# Altium PCB PiMX8MP_BRIDGE_FPC_r0.1.PcbDoc (part 1 of 2)
Units mm, origin at the board's own origin, x right, y up, seen from the top; angles counter-clockwise.
Board outline 53.68 x 17.99 mm, 4 copper layers (Top Layer, L2 GND, L3 GND, Bottom Layer), stack 0.148 mm thick; 2 components, 38 nets, 188 pads, 155 vias.
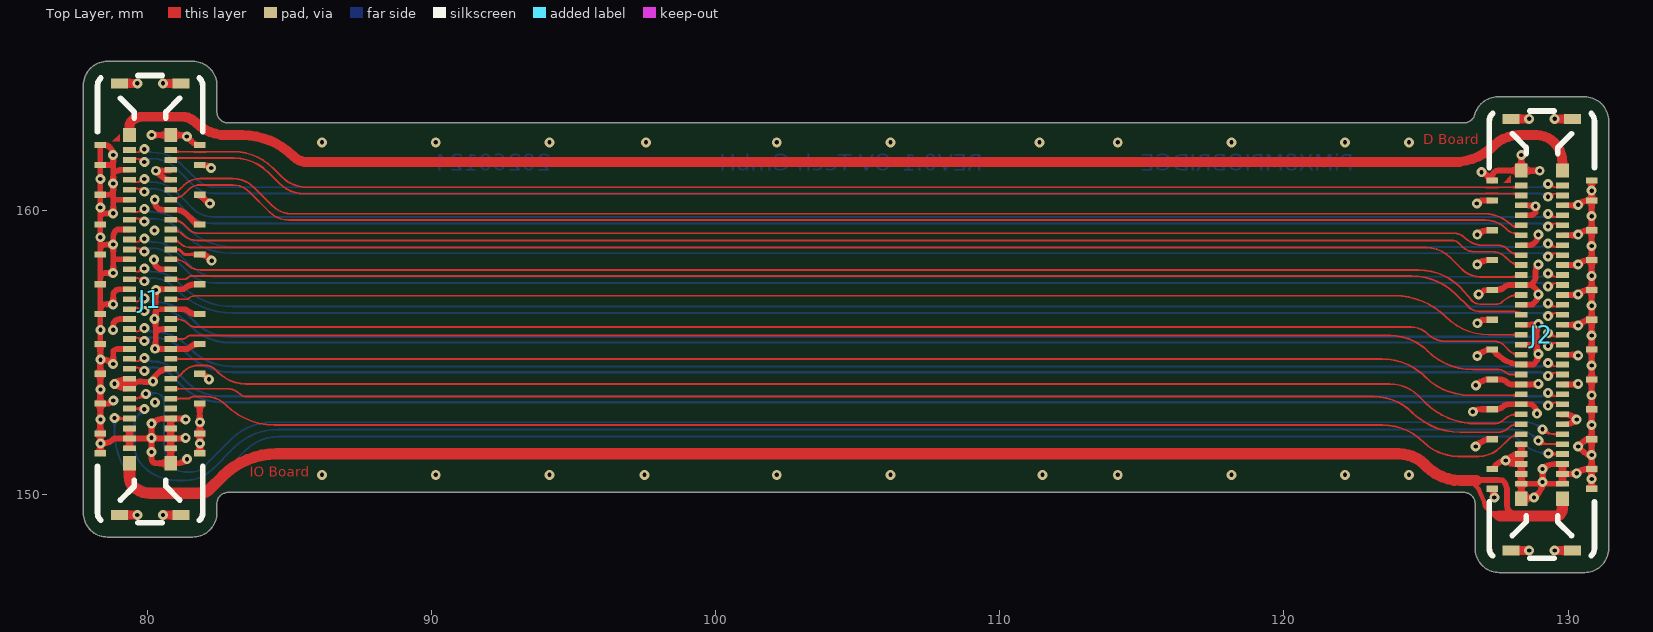
[diagram p0: Top Layer view]
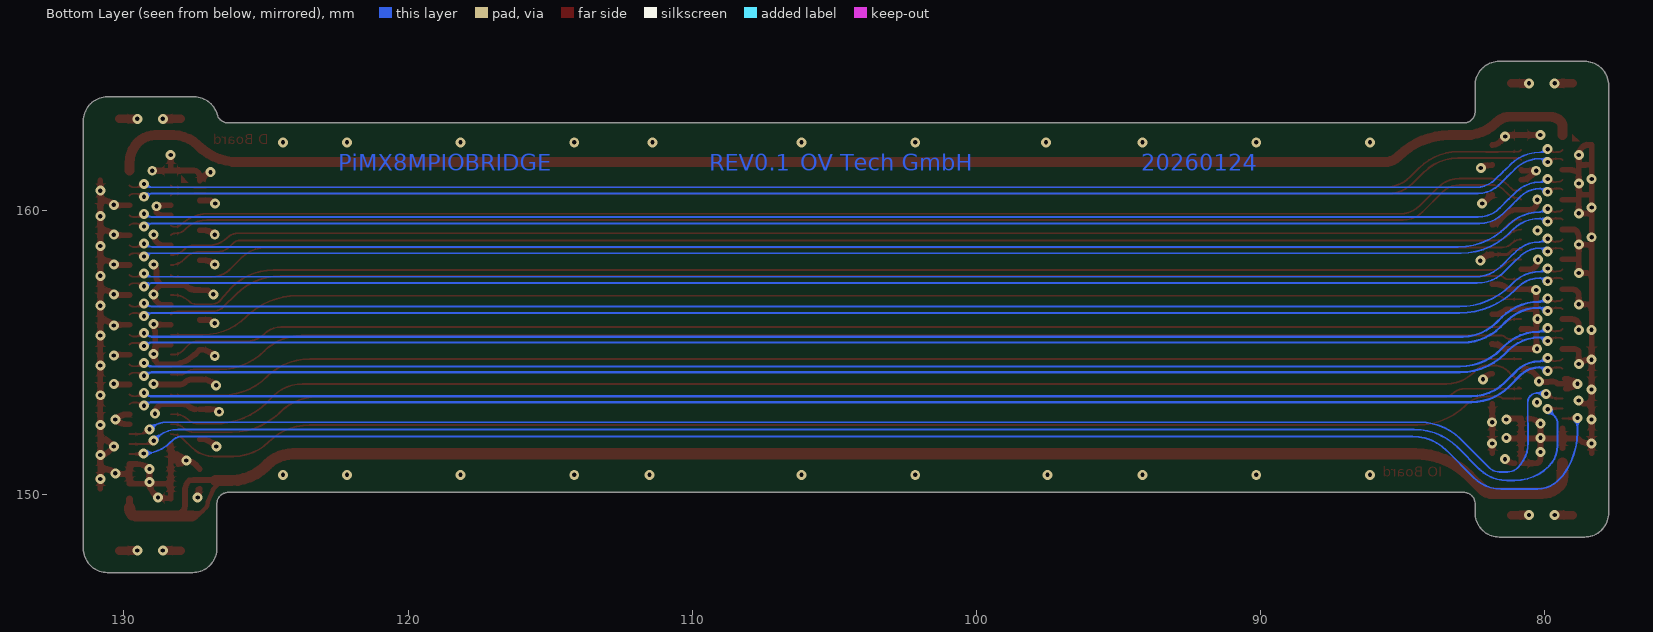
[diagram p1: Bottom Layer view, seen from below]
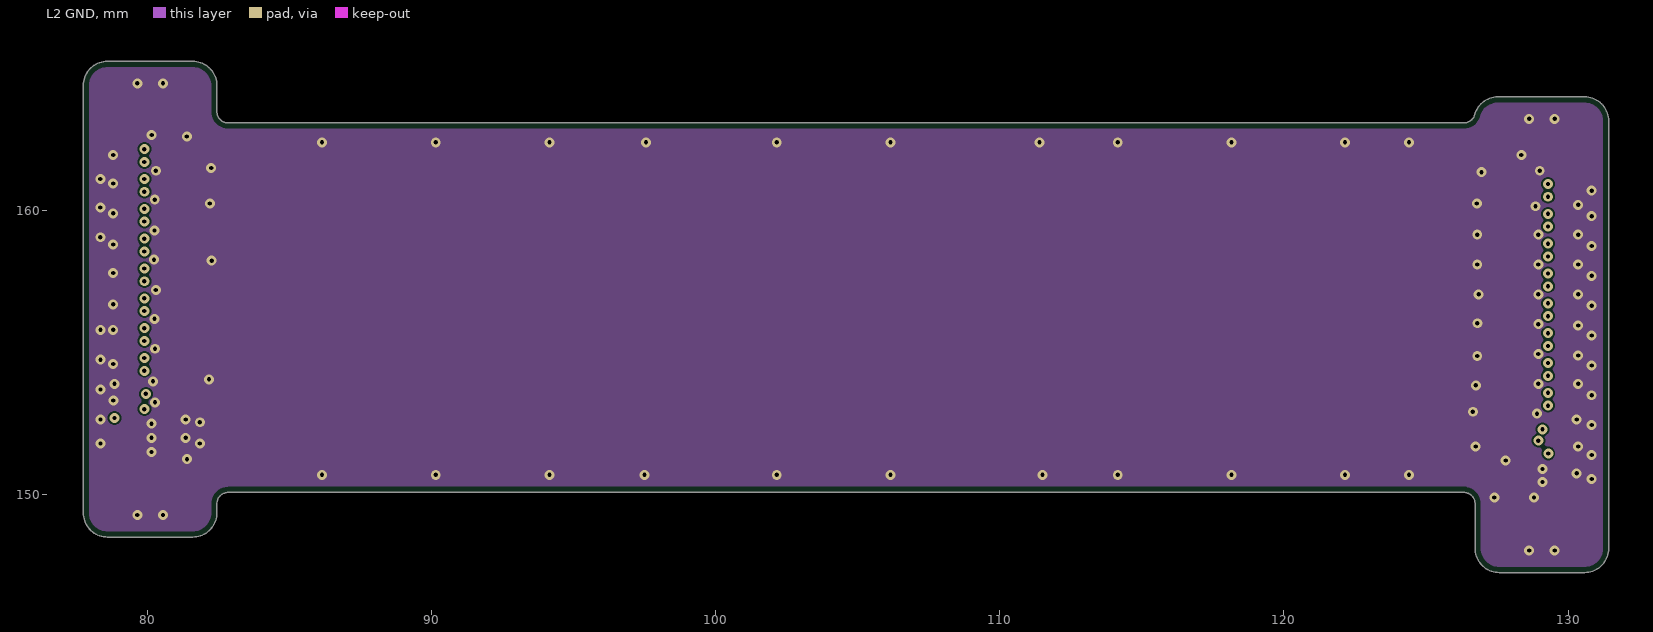
[diagram p2: L2 GND]
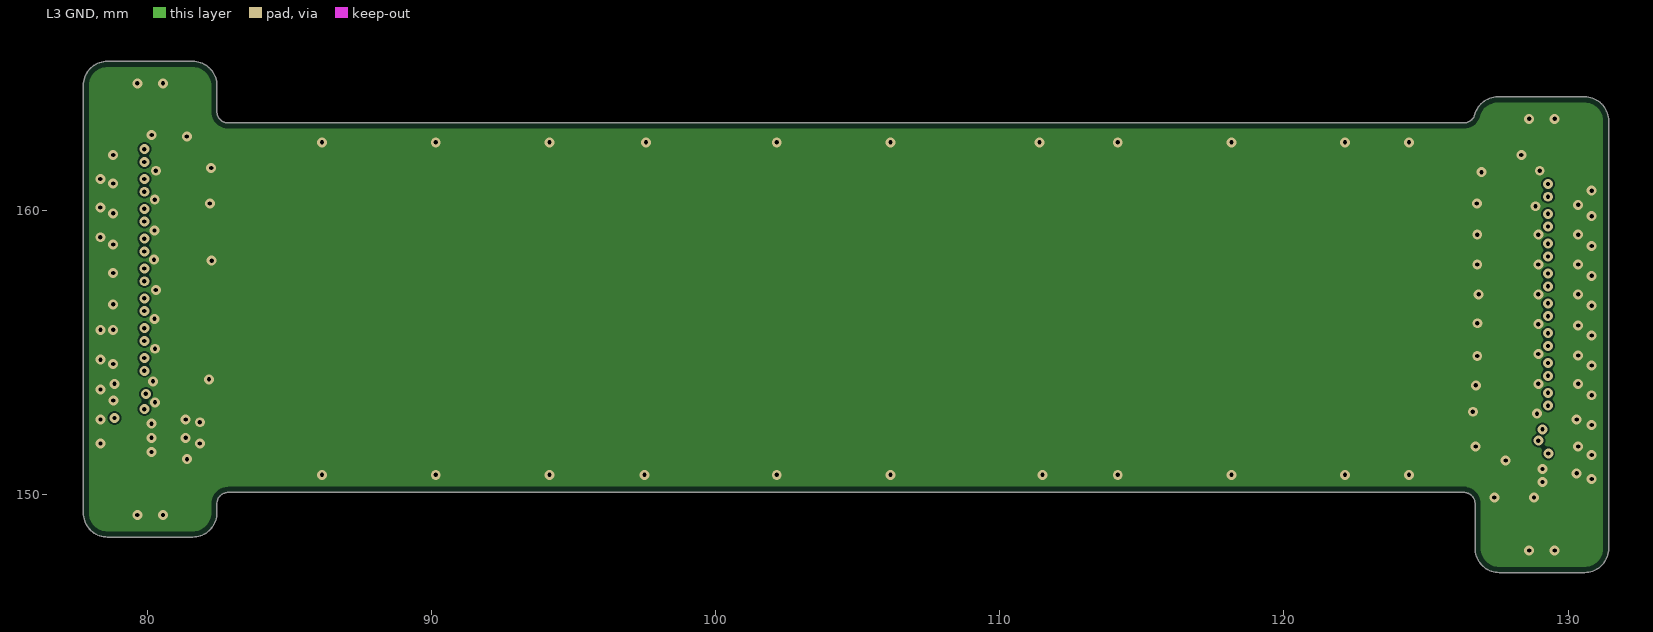
[diagram p3: L3 GND]

## Layer stack, top to bottom
Flex Top Coverlay: solder mask 0.0275, FC-001, Dk 2.9
Top Layer: signal copper 0.012
Dielectric 1: prepreg 0.0125, Polyimide, Dk 3.3
Adhesive 3: prepreg 0.025, PP-006, Dk 4.1
L2 GND: signal copper 0.012
Dielectric 2: core 0.025, Polyimide, Dk 3.3
L3 GND: signal copper 0.012
Adhesive 4: prepreg 0.025, PP-006, Dk 4.1
Dielectric 3: prepreg 0.0125, Polyimide, Dk 3.3
Bottom Layer: signal copper 0.012
Flex Bottom Coverlay: solder mask 0.0275, FC-001, Dk 2.9

## Board outline
78.6,148.5 cw(c78.6,149.35) 77.75,149.35 77.75,164.39 cw(c78.6,164.39) 78.6,165.24 81.6,165.24 cw(c81.6,164.39) 82.45,164.39 82.45,163.47 ccw(c82.85,163.47) 82.85,163.07 126.326,163.07 ccw(c126.326,163.47) 126.712,163.364 cw(c127.531,163.14) 127.531,163.99 130.576,163.99 cw(c130.576,163.14) 131.426,163.14 131.426,148.1 cw(c130.576,148.1) 130.576,147.25 127.576,147.25 cw(c127.576,148.1) 126.726,148.1 126.726,149.67 ccw(c126.326,149.67) 126.326,150.07 82.85,150.07 ccw(c82.85,149.67) 82.45,149.67 82.45,149.35 cw(c81.6,149.35) 81.6,148.5

## Design rules (kind name [scope] priority, off if disabled: settings)
BoardOutlineClearance [All] p1: gap=0.2 ignorepadtopadclearanceinfootprint=FALSE
Clearance [All] p1: gap=0.06 ignorepadtopadclearanceinfootprint=TRUE except(0.1: Arc-SMDPad Track-SMDPad; 0.12: Arc-Via Track-Via; 0.15: SMDPad-Via)
DiffPairsRouting DiffPairsRouting_D85 [All] p1: maxlimit=0.127 minlimit=0.127 mostfreqgap=0.127 toplayer_minwidth=0.081 toplayer_maxwidth=0.081 toplayer_prefwidth=0.081 midlayer1_minwidth=0.033 midlayer1_maxwidth=0.033 midlayer1_prefwidth=0.033 midlayer2_minwidth=0.033 midlayer2_maxwidth=0.033 midlayer2_prefwidth=0.033 bottomlayer_minwidth=0.081 bottomlayer_maxwidth=0.081 bottomlayer_prefwidth=0.081 impedanceprofiledriven=TRUE impedanceprofileid={B4C7CDBF-7AF1-4EA1-A8BC-F68812CB2E38} impedanceprofilevalue=85.000000 maxuncoupledlength=12.7
DiffPairsRouting DiffPairsRouting_D100 [All] p2: maxlimit=0.254 minlimit=0.06 mostfreqgap=0.254 toplayer_maxgap=0.16 toplayer_prefgap=0.16 toplayer_minwidth=0.064 toplayer_maxwidth=0.064 toplayer_prefwidth=0.064 bottomlayer_maxgap=0.16 bottomlayer_prefgap=0.16 bottomlayer_minwidth=0.064 bottomlayer_maxwidth=0.064 bottomlayer_prefwidth=0.064 impedanceprofiledriven=TRUE impedanceprofileid={929F4BEA-F959-4BEB-AF75-530DD572B923} impedanceprofilevalue=100.000000 maxuncoupledlength=12.7
DiffPairsRouting DiffPairsRouting_D90 [All] p3: maxlimit=0.254 minlimit=0.076 mostfreqgap=0.254 toplayer_maxgap=0.076 toplayer_prefgap=0.076 toplayer_minwidth=0.076 toplayer_maxwidth=0.076 toplayer_prefwidth=0.076 bottomlayer_maxgap=0.076 bottomlayer_prefgap=0.076 bottomlayer_minwidth=0.076 bottomlayer_maxwidth=0.076 bottomlayer_prefwidth=0.076 impedanceprofiledriven=TRUE impedanceprofileid={8D600020-E98F-4186-8D17-A276702796DB} impedanceprofilevalue=90.000000 maxuncoupledlength=12.7
MatchedLengths MatchLengths_xUSB_FPC2 [InxSignalClass('xUSB_FPC2')] p1: tolerance=2.54 checknetsindiffpair=FALSE checkdiffpairvsdiffpair=TRUE checkxsignals=TRUE checkothers=TRUE usedelayunits=TRUE delaytolerance=1.000000
MatchedLengths MatchLengths_xUSB_FPC1 [InxSignalClass('xUSB_FPC1')] p2: tolerance=2.54 checknetsindiffpair=FALSE checkdiffpairvsdiffpair=TRUE checkxsignals=TRUE checkothers=TRUE usedelayunits=TRUE delaytolerance=1.000000
MatchedLengths MatchLengths_xPCM [InxSignalClass('xPCM')] p3: tolerance=2.54 checknetsindiffpair=FALSE checkdiffpairvsdiffpair=TRUE checkxsignals=TRUE checkothers=TRUE usedelayunits=TRUE delaytolerance=1.000000
MatchedLengths MatchLengths_xPCIe [InxSignalClass('xPCIe')] p4: tolerance=2.54 checknetsindiffpair=FALSE checkdiffpairvsdiffpair=TRUE checkxsignals=TRUE checkothers=TRUE usedelayunits=TRUE delaytolerance=0.500000
MatchedLengths MatchLengths_xCSI [InxSignalClass('xCSI')] p5: tolerance=2.54 checknetsindiffpair=FALSE checkdiffpairvsdiffpair=TRUE checkxsignals=TRUE checkothers=TRUE usedelayunits=TRUE delaytolerance=0.500000
PolygonConnect [All] p1: connectstyle=Direct reliefconductorwidth=0.254 reliefentries=4 polygonreliefangle="90 Angle" airgapwidth=0.254
RoutingVias [All] p1: holewidth=0.711 width=1.27 viastyle="Through Hole" minholewidth=0.711 minwidth=1.27 maxholewidth=0.711 maxwidth=1.27
SilkToSolderMaskClearance [IsPad] p1: minsilkscreentomaskgap=0.2 clearancetoexposedcopper=TRUE
SolderMaskExpansion [All] p1: expansion=0.102 istentingtop=FALSE
SupplyNets "Schematic Supply Nets_2" [InNet('GND')] p1: voltage=0.000
SupplyNets "Schematic Supply Nets_1" [InNet('VCC3.3')] p2: voltage=0.000
SupplyNets "Schematic Supply Nets" [InNet('VCC1.8')] p3: voltage=0.000
Width Width_S50 [InNetClass('SNGL_50')] p1: maxlimit=3 minlimit=0.06 preferedwidth=0.2 toplayer_minwidth=0.065 toplayer_maxwidth=0.065 toplayer_prefwidth=0.065 bottomlayer_minwidth=0.065 bottomlayer_maxwidth=0.065 bottomlayer_prefwidth=0.065 impedanceprofiledriven=TRUE impedanceprofileid={9B5DEE10-7946-44C7-AA1F-5EC6AB3D1537} impedanceprofilevalue=50.000000 minimp=50.000000 maximp=50.000000 favimp=50.000000
Width [All] p2: maxlimit=3 minlimit=0.07 preferedwidth=0.2
28 further rules are at their usual default settings.

## Classes and differential pairs
net class SNGL_50: ALERT#_1P8 CAM_GPIO CAM_I2C_SCL CAM_I2C_SDA FPC_PEWAKE0#_3P3 I2C_SCL I2C_SDA PCIe_CLK_REQ PCIE_nRST PCM_MCLK PCM_RX_IN PCM_RX_SYNC PCM_TX_OUT PCM_TX_SYNC UART_nWAKE
differential pair class DIFF100: CSI_CLK CSI_D0 CSI_D1 CSI_D2 CSI_D3
differential pair class DIFF90: USB_FPC1 USB_FPC2
differential pair class DIFF85: PCIE_CLK PCIE_RX PCIEC_TX
differential pair USB_FPC2: +USB_FPC2_P -USB_FPC2_N
differential pair USB_FPC1: +USB_FPC1_P -USB_FPC1_N
differential pair PCIEC_TX: +PCIEC_TX_P -PCIEC_TX_N
differential pair PCIE_RX: +PCIE_RX_P -PCIE_RX_N
differential pair PCIE_CLK: +PCIE_CLK_P -PCIE_CLK_N
differential pair CSI_D3: +CSI_D3_P -CSI_D3_N
differential pair CSI_D2: +CSI_D2_P -CSI_D2_N
differential pair CSI_D1: +CSI_D1_P -CSI_D1_N
differential pair CSI_D0: +CSI_D0_P -CSI_D0_N
differential pair CSI_CLK: +CSI_CLK_P -CSI_CLK_N

## Components (designator, comment, footprint, x,y, rotation, side; value= is the part's Value field where it differs from the comment)
J1 "20697-062E-01" "BOARD-TO-BOARD 62POL_20697-062E-01" 80.1,156.87 r270 top
J2 "20697-062E-01" "BOARD-TO-BOARD 62POL_20697-062E-01" 129.076,155.62 r270 top

## Footprints (in the part's own frame and the unit in brackets; to place one, negate y for a bottom-side part, rotate by r counter-clockwise, add the part's x,y. Pads: shape width x height; smd on the part's side, far side on the other; paste and mask are expansions set on the pad)
"BOARD-TO-BOARD 62POL_20697-062E-01" [mm] "High-speed board-to-board connector fully-shielded with power contacts, 0.35 mm pitch, 0.7 mm height, Plug"
  rect 0.2x0.45 smd: 1(-5.25,-0.725) 2(-5.25,0.725) 3(-4.9,-0.725) 4(-4.9,0.725) 5(-4.55,-0.725) 6(-4.55,0.725) 7(-4.2,-0.725) 8(-4.2,0.725) 9(-3.85,-0.725) 10(-3.85,0.725) 11(-3.5,-0.725) 12(-3.5,0.725) 13(-3.15,-0.725) 14(-3.15,0.725) 15(-2.8,-0.725) 16(-2.8,0.725) 17(-2.45,-0.725) 18(-2.45,0.725) 19(-2.1,-0.725) 20(-2.1,0.725) 21(-1.75,-0.725) 22(-1.75,0.725) 23(-1.4,-0.725) 24(-1.4,0.725) 25(-1.05,-0.725) 26(-1.05,0.725) 27(-0.7,-0.725) 28(-0.7,0.725) 29(-0.35,-0.725) 30(-0.35,0.725) 31(0,-0.725) 32(0,0.725) 33(0.35,-0.725) 34(0.35,0.725) 35(0.7,-0.725) 36(0.7,0.725) 37(1.05,-0.725) 38(1.05,0.725) 39(1.4,-0.725) 40(1.4,0.725) 41(1.75,-0.725) 42(1.75,0.725) 43(2.1,-0.725) 44(2.1,0.725) 45(2.45,-0.725) 46(2.45,0.725) 47(2.8,-0.725) 48(2.8,0.725) 49(3.15,-0.725) 50(3.15,0.725) 51(3.5,-0.725) 52(3.5,0.725) 53(3.85,-0.725) 54(3.85,0.725) 55(4.2,-0.725) 56(4.2,0.725) 57(4.55,-0.725) 58(4.55,0.725) 59(4.9,-0.725) 60(4.9,0.725) 61(5.25,-0.725) 62(5.25,0.725)
  rect 0.5x0.45 smd: P1(-5.775,-0.725) P2(-5.775,0.725) P3(5.775,-0.725) P4(5.775,0.725)
  rect 0.35x0.6 smd: SHD(-7.595,-1.08) SHD(-7.595,1.08) SHD(7.595,-1.08) SHD(7.595,1.08)
  rect 0.22x0.4 smd: SHD(-5.425,-1.75) SHD(-5.425,1.75) SHD(-4.725,-1.75) SHD(-4.725,1.75) SHD(-3.675,-1.75) SHD(-3.675,1.75) SHD(-2.625,1.75) SHD(-2.625,-1.75) SHD(-1.575,1.75) SHD(-1.575,-1.75) SHD(-0.525,1.75) SHD(-0.525,-1.75) SHD(0.525,1.75) SHD(0.525,-1.75) SHD(1.575,1.75) SHD(1.575,-1.75) SHD(2.625,1.75) SHD(2.625,-1.75) SHD(3.675,-1.75) SHD(3.675,1.75) SHD(4.725,-1.75) SHD(4.725,1.75) SHD(5.425,-1.75) SHD(5.425,1.75)
  silkscreen extent -7.87,-1.85 7.87,1.85, body extent -7.87,-1.85 7.87,1.85, height 0.65

## Part data
J1 J2: library part "Board to Board Connector_62pol_20697-062E-01", "Board to Board connector plug 62Pol FPC Header 0.35mm Pitch", Manufacturer 1=I-PEX, Manufacturer 1 Prt. Nr.=20697-062E-01

## Via types
v1: diameter 0.35, hole 0.15, Top Layer to Bottom Layer, tented both sides, 155 vias

## Nets (pads, with @x,y where several pads share a name; then routed paths per layer and width w, separated by ;. In a path a pad name is that pad's centre, name@x,y a point inside that pad or via, vN(x,y) a via of type N, cw(c..) or ccw(c..) an arc to the next point about the centre after c; other vN are vias at no path point)
ALERT#_1P8: J1.16 J2.15 | length 47.9
  Top Layer w0.065: J1.16@80.825,159.67 80.866,159.67 cw(c80.866,159.055) 81.301,159.49 81.459,159.331 ccw(c81.801,159.673) 81.801,159.19 125.989,159.19 cw(c125.989,158.678) 126.351,159.04 ccw(c127.013,159.702) 127.013,158.766 127.547,158.766 cw(c127.547,158.336) 127.851,158.64 127.873,158.618 ccw(c128.351,159.096) J2.15@128.351,158.42
CAM_GPIO: J1.48 J2.47 | length 48.9
  Top Layer w0.065: J1.48@80.825,154.07 ccw(c80.825,154.567) 81.176,154.216 81.289,154.328 cw(c81.801,153.816) 81.801,154.54 82.039,154.54 cw(c82.039,154.028) 82.401,154.39 82.505,154.286 ccw(c83.461,155.243) 83.461,153.89 83.951,153.89 123.711,153.89 cw(c123.711,152.444) 124.734,153.466 124.966,153.234 ccw(c126.762,155.03) 126.471,152.507 ; 127.003,152.49 126.762,152.49 ; J2.47@128.351,152.82 128.185,152.82 ccw(c128.185,152.205) 127.751,152.64 cw(c127.389,153.002) 127.389,152.49 126.762,152.49 ; 126.471,152.507 ccw(c126.616,153.131) 126.616,152.49 126.762,152.49 ; 126.471,152.507 ccw(c126.762,155.03) 126.762,152.49
CAM_I2C_SCL: J1.52 J2.51 | length 48.4
  Top Layer w0.065: J1.52@80.825,153.37 81.452,153.37 ccw(c81.452,153.438) 81.501,153.39 cw(c81.621,153.269) 81.621,153.44 82.061,153.44 cw(c82.061,152.424) 82.779,153.142 ccw(c84.475,154.838) 84.475,152.44 123.476,152.44 cw(c123.476,150.426) 124.9,151.85 ccw(c126.131,153.081) 126.131,151.34 126.851,151.34 ccw(c126.851,152.426) 127.619,151.658 127.89,151.929 cw(c128.351,151.468) J2.51@128.351,152.12
CAM_I2C_SDA: J1.50 J2.49 | length 48.1
  Top Layer w0.065: J1.50@80.95,153.772 ccw(c80.95,153.595) J1.50@80.825,153.72 82.816,153.72 cw(c82.816,153.105) 83.251,153.54 ccw(c83.492,153.781) 83.492,153.44 83.851,153.44 123.171,153.44 cw(c123.171,151.533) 124.519,152.881 ccw(c126.188,154.55) 126.188,152.19 126.563,152.19 127.539,152.19 ccw(c127.539,152.702) 127.901,152.34 cw(c128.215,152.026) 128.215,152.47 J2.49@128.351,152.47
CSI_CLK_N: J1.13 J2.14 | length 50.9
  Top Layer w0.064: J1.13@79.375,160.02 79.391,160.004 ccw(c79.517,160.129) 79.517,159.952 79.59,159.952 ccw(c79.626,159.988) 79.626,159.937 79.638,159.937 ccw(c79.638,160.13) 79.775,159.993 79.784,160.002 cw(c79.899,159.888) v1(79.899,160.05) ; v1(129.293,158.824) cw(c129.293,158.671) 129.401,158.779 ccw(c129.576,158.953) 129.576,158.707 129.648,158.707 ccw(c129.648,158.923) J2.14@129.801,158.77
  Bottom Layer w0.064: v1(79.899,160.05) cw(c79.899,159.888) 80.013,160.002 ccw(c80.172,160.161) 80.172,159.937 cw(c80.172,158.373) 81.278,159.479 81.341,159.416 ccw(c83.043,161.118) 83.043,158.711 129.02,158.711 ccw(c129.02,158.935) 129.178,158.776 cw(c129.293,158.662) v1(129.293,158.824)
CSI_CLK_P: J1.15 J2.16 | length 50.9
  Top Layer w0.064: J1.15@79.375,159.67 cw(c79.479,159.566) 79.479,159.713 79.638,159.713 cw(c79.638,159.52) 79.775,159.657 79.784,159.648 ccw(c79.899,159.762) v1(79.899,159.6) ; v1(129.293,158.374) ccw(c129.293,158.545) 129.414,158.424 cw(c129.557,158.281) 129.557,158.483 129.648,158.483 cw(c129.648,158.267) J2.16@129.801,158.42
  Bottom Layer w0.064: v1(79.899,159.6) ccw(c79.899,159.762) 80.013,159.648 cw(c80.172,159.489) 80.172,159.713 cw(c80.172,158.373) 81.12,159.321 81.249,159.192 ccw(c82.951,160.894) 82.951,158.487 129.02,158.487 cw(c129.02,158.263) 129.178,158.421 ccw(c129.293,158.536) v1(129.293,158.374)
CSI_D0_N: J1.1 J2.2 | length 51
  Top Layer w0.064: J1.1@79.375,162.12 79.391,162.104 ccw(c79.517,162.229) 79.517,162.052 79.59,162.052 ccw(c79.626,162.088) 79.626,162.037 79.638,162.037 ccw(c79.638,162.23) 79.775,162.093 79.784,162.102 cw(c79.899,161.988) v1(79.899,162.15) ; v1(129.293,160.924) cw(c129.293,160.771) 129.401,160.879 ccw(c129.576,161.053) 129.576,160.807 129.648,160.807 ccw(c129.648,161.023) J2.2@129.801,160.87
  Bottom Layer w0.064: v1(79.899,162.15) cw(c79.899,161.988) 80.013,162.102 ccw(c80.172,162.261) 80.172,162.037 cw(c80.172,160.593) 81.193,161.614 81.276,161.531 ccw(c83.072,163.327) 81.47,161.355 ; 81.467,161.359 81.741,161.085 ccw(c82.403,161.747) 82.403,160.811 129.02,160.811 ccw(c129.02,161.035) 129.178,160.876 cw(c129.293,160.762) v1(129.293,160.924)
CSI_D0_P: J1.3 J2.4 | length 51
  Top Layer w0.064: J1.3@79.375,161.77 cw(c79.479,161.666) 79.479,161.813 79.638,161.813 cw(c79.638,161.62) v1@79.775,161.757 ; v1@79.775,161.757 79.784,161.748 ccw(c79.899,161.862) v1(79.899,161.7) ; v1(129.293,160.474) ccw(c129.293,160.645) 129.414,160.524 cw(c129.557,160.381) 129.557,160.583 129.648,160.583 cw(c129.648,160.367) J2.4@129.801,160.52
  Bottom Layer w0.064: v1(79.899,161.7) ccw(c79.899,161.862) 80.013,161.748 cw(c80.172,161.589) 80.172,161.813 cw(c80.172,160.593) 81.035,161.456 81.118,161.373 ccw(c83.072,163.327) 81.325,161.185 ; 81.325,161.185 81.624,160.886 ccw(c82.346,161.608) 82.346,160.587 129.02,160.587 cw(c129.02,160.363) 129.178,160.521 ccw(c129.293,160.636) v1(129.293,160.474)
CSI_D1_N: J1.7 J2.8 | length 51
  Top Layer w0.064: J1.7@79.375,161.07 79.391,161.054 ccw(c79.517,161.179) 79.517,161.002 79.59,161.002 ccw(c79.626,161.038) 79.626,160.987 79.638,160.987 ccw(c79.638,161.18) 79.775,161.043 79.784,161.052 cw(c79.899,160.938) v1(79.899,161.1) ; v1(129.293,159.874) cw(c129.293,159.721) 129.401,159.829 ccw(c129.576,160.003) 129.576,159.757 129.648,159.757 ccw(c129.648,159.973) J2.8@129.801,159.82
  Bottom Layer w0.064: v1(79.899,161.1) cw(c79.899,160.938) 80.013,161.052 ccw(c80.172,161.211) 80.172,160.987 cw(c80.172,159.785) 81.022,160.635 81.259,160.398 81.261,160.398 81.58,160.079 ccw(c82.349,160.849) 82.349,159.761 129.02,159.761 ccw(c129.02,159.985) 129.178,159.826 cw(c129.293,159.712) v1(129.293,159.874)
CSI_D1_P: J1.9 J2.10 | length 51
  Top Layer w0.064: J1.9@79.375,160.72 cw(c79.479,160.616) 79.479,160.763 79.638,160.763 cw(c79.638,160.57) 79.775,160.707 79.784,160.698 ccw(c79.899,160.812) v1(79.899,160.65) ; v1(129.293,159.424) ccw(c129.293,159.595) 129.414,159.474 cw(c129.557,159.331) 129.557,159.533 129.648,159.533 cw(c129.648,159.317) J2.10@129.801,159.47
  Bottom Layer w0.064: v1(79.899,160.65) ccw(c79.899,160.812) 80.013,160.698 cw(c80.172,160.539) 80.172,160.763 cw(c80.172,159.785) 80.864,160.477 81.018,160.323 ccw(c82.972,162.277) 81.111,160.234 ; 81.11,160.235 81.11,160.233 81.458,159.885 ccw(c82.298,160.725) 82.298,159.537 129.02,159.537 cw(c129.02,159.313) 129.178,159.471 ccw(c129.293,159.586) v1(129.293,159.424)
CSI_D2_N: J1.19 J2.20 | length 51
  Top Layer w0.064: J1.19@79.375,158.97 79.391,158.954 ccw(c79.517,159.079) 79.517,158.902 79.59,158.902 ccw(c79.626,158.938) 79.626,158.887 79.638,158.887 ccw(c79.638,159.08) 79.775,158.943 v1@79.784,158.952 ; v1@79.784,158.953 cw(c79.899,158.838) v1(79.899,159) ; v1(129.293,157.774) cw(c129.293,157.621) 129.401,157.729 ccw(c129.576,157.903) 129.576,157.657 129.648,157.657 ccw(c129.648,157.873) J2.20@129.801,157.72
  Bottom Layer w0.064: v1(79.899,159) cw(c79.899,158.838) 80.013,158.952 ccw(c80.172,159.111) 80.172,158.887 80.191,158.887 cw(c80.191,157.73) 81.009,158.548 ccw(c82.718,160.257) 81.168,158.403 ; 81.165,158.406 81.537,158.033 ccw(c82.437,158.933) 82.437,157.661 129.02,157.661 ccw(c129.02,157.885) 129.178,157.726 cw(c129.293,157.612) v1(129.293,157.774)
CSI_D2_P: J1.21 J2.22 | length 51
  Top Layer w0.064: J1.21@79.375,158.62 cw(c79.479,158.516) 79.479,158.663 79.638,158.663 cw(c79.638,158.47) 79.775,158.607 79.784,158.598 ccw(c79.899,158.712) v1(79.899,158.55) ; v1(129.293,157.324) ccw(c129.293,157.495) 129.414,157.374 cw(c129.557,157.231) 129.557,157.433 129.648,157.433 cw(c129.648,157.217) J2.22@129.801,157.37
  Bottom Layer w0.064: v1(79.899,158.55) ccw(c79.899,158.712) 80.013,158.598 cw(c80.172,158.439) 80.172,158.663 80.191,158.663 cw(c80.191,157.73) 80.851,158.39 ccw(c82.718,160.257) 81.02,158.235 81.419,157.836 ccw(c82.381,158.798) 82.381,157.437 129.02,157.437 cw(c129.02,157.213) 129.178,157.371 ccw(c129.293,157.486) v1(129.293,157.324)
CSI_D3_N: J1.25 J2.26 | length 50.9
  Top Layer w0.064: J1.25@79.375,157.92 79.391,157.904 ccw(c79.517,158.029) 79.517,157.852 79.59,157.852 ccw(c79.626,157.888) 79.626,157.837 79.638,157.837 ccw(c79.638,158.03) v1@79.775,157.893 ; v1@79.775,157.893 79.784,157.902 cw(c79.899,157.788) v1(79.899,157.95) ; v1(129.293,156.724) cw(c129.293,156.571) 129.401,156.679 ccw(c129.576,156.853) 129.576,156.607 129.648,156.607 ccw(c129.648,156.823) J2.26@129.801,156.67
  Bottom Layer w0.064: v1(79.899,157.95) cw(c79.899,157.788) 80.013,157.902 ccw(c80.172,158.061) 80.172,157.837 cw(c80.172,156.514) 81.108,157.449 81.202,157.354 ccw(c82.998,159.151) 82.998,156.611 88.401,156.611 93.801,156.611 129.02,156.611 ccw(c129.02,156.835) 129.178,156.676 cw(c129.293,156.562) v1(129.293,156.724)
CSI_D3_P: J1.27 J2.28 | length 50.9
  Top Layer w0.064: J1.27@79.375,157.57 cw(c79.479,157.466) 79.479,157.613 79.638,157.613 cw(c79.638,157.42) 79.775,157.557 79.784,157.548 ccw(c79.899,157.662) v1(79.899,157.5) ; v1(129.293,156.274) ccw(c129.293,156.445) 129.414,156.324 cw(c129.557,156.181) 129.557,156.383 129.648,156.383 cw(c129.648,156.167) J2.28@129.801,156.32
  Bottom Layer w0.064: v1(79.899,157.5) ccw(c79.899,157.662) 80.013,157.548 cw(c80.172,157.389) 80.172,157.613 cw(c80.172,156.514) 80.949,157.291 81.044,157.196 ccw(c82.998,159.151) 82.998,156.387 88.401,156.387 93.801,156.387 129.02,156.387 cw(c129.02,156.163) 129.178,156.321 ccw(c129.293,156.436) v1(129.293,156.274)
FPC_PEWAKE0#_3P3: J1.55 J2.56 | length 54.1
  Top Layer w0.065: v1(78.851,152.69) 78.871,152.67 J1.55@79.375,152.67 ; v1(129.301,151.44) 129.321,151.42 J2.56@129.801,151.42
  Bottom Layer w0.065: v1(78.851,152.69) 78.851,152.192 ccw(c81.391,152.192) 79.369,150.654 79.538,150.485 ccw(c80.251,151.198) 80.251,150.19 81.535,150.19 ccw(c81.535,151.556) 82.501,150.59 83.456,151.545 cw(c84.651,150.35) 84.651,152.04 127.939,152.04 cw(c127.939,151.528) 128.301,151.89 128.362,151.829 ccw(c129.301,152.768) v1(129.301,151.44)